# Altium PCB BMD_RevB_PCB.PcbDoc (part 1 of 3) (continued)
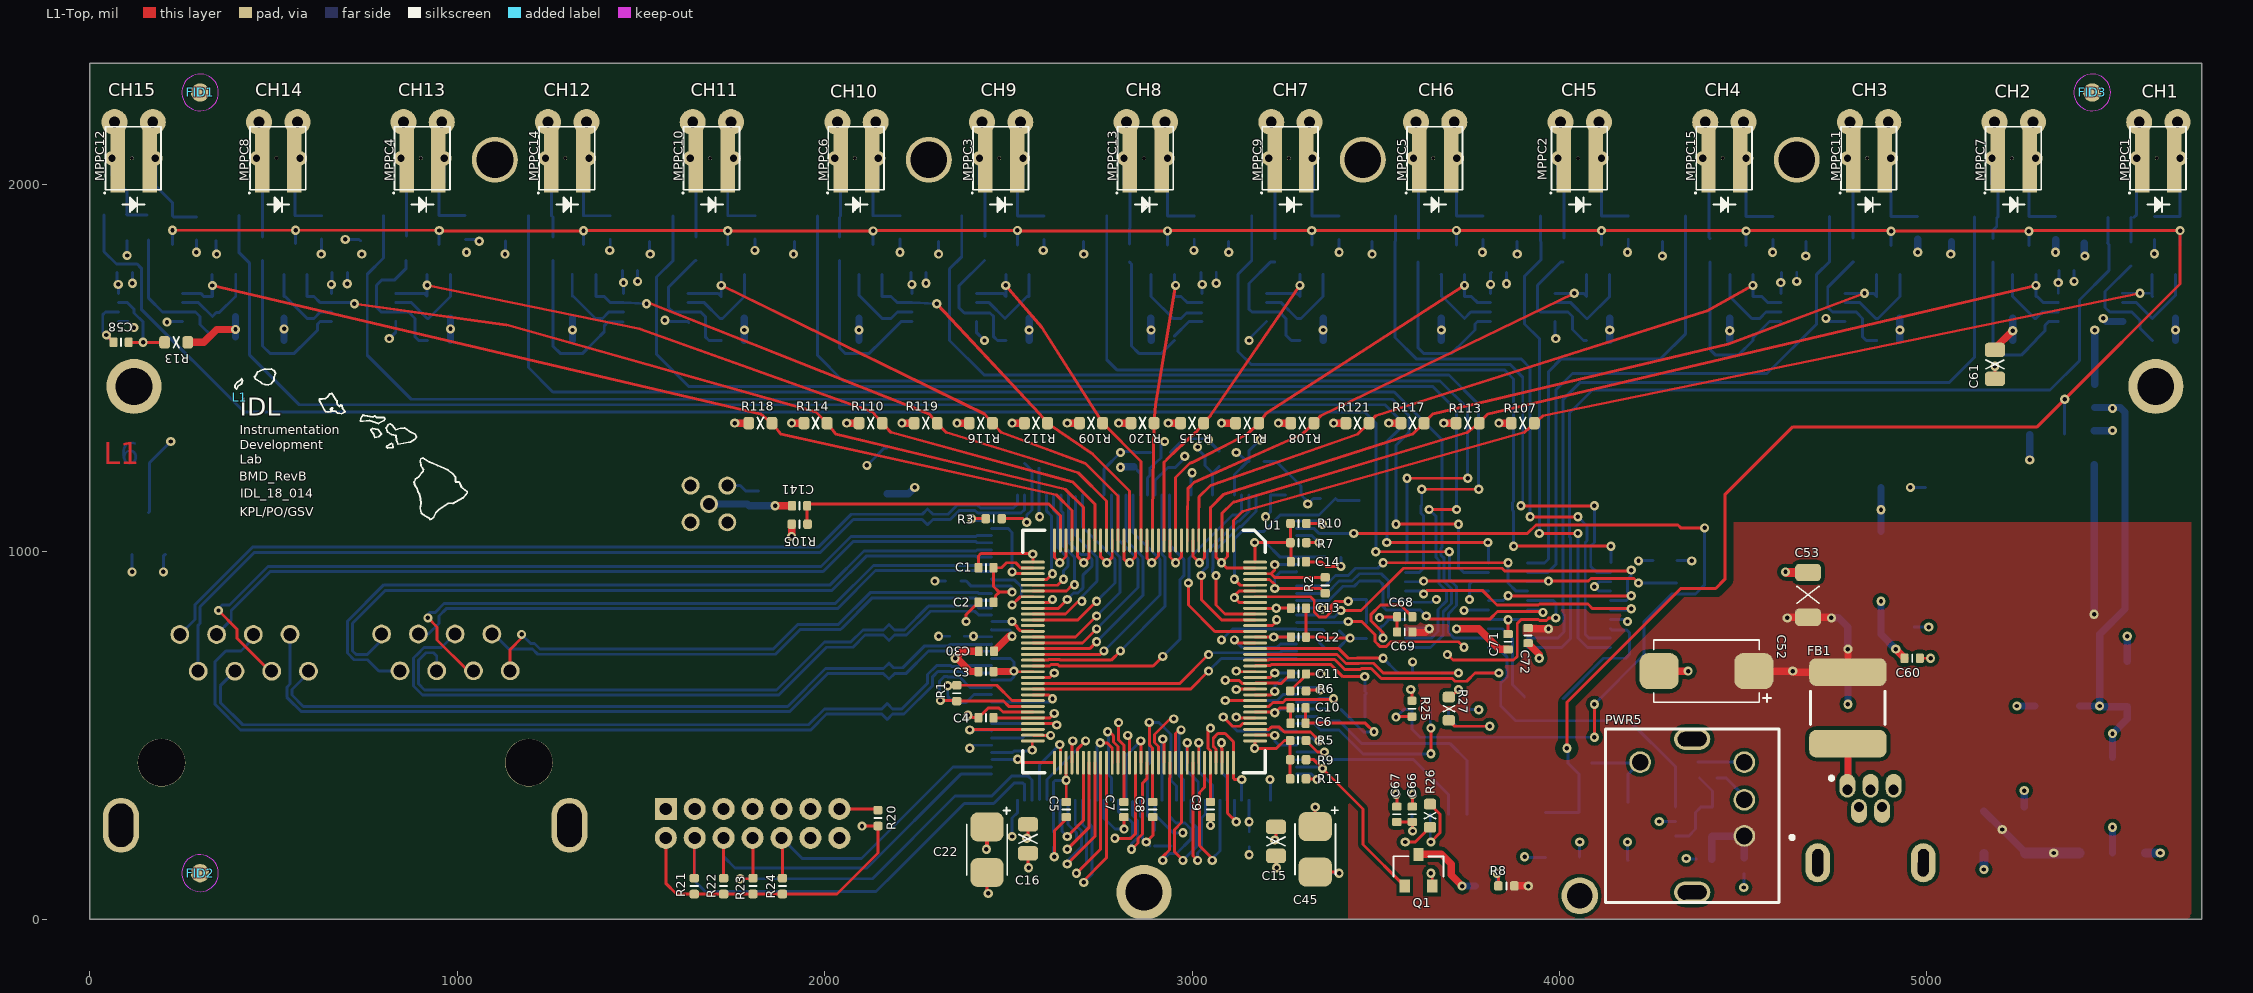
[diagram p0: L1-Top view]
## Components (designator, comment, footprint, x,y, rotation, side; value= is the part's Value field where it differs from the comment)
1 "SP1.5S" SP1.5SQ#1 5455.71,1266.73 r270 bottom
2 "SP1.5S" SP1.5SQ#2 5455.71,1329.72 r0 bottom
3 "SP1.5S" SP1.5SQ#3 5456.69,1392.72 r90 bottom
C1 "100nF" CC0402N1R 2438.98,956.43 r0 top
C2 "100nF" CC0402N1R 2438.98,862.23 r0 top
C3 "100nF" CC0402N1R 2438.98,673.83 r0 top
C4 "100nF" CC0402N1R 2438.98,548.23 r0 top
C5 "100nF" CC0402N1R 2657.48,298.23 r90 top
C6 "100nF" CC0402N1R 3288.39,533.46 r180 top
C7 "100nF" CC0402N1R 2814.48,298.23 r90 top
C8 "100nF" CC0402N1R 2892.98,298.23 r90 top
C9 "100nF" CC0402N1R 3049.98,298.23 r90 top
C10 "100nF" CC0402N1R 3288.39,574.8 r180 top
C11 "100nF" CC0402N1R 3289.37,667.32 r180 top
C12 "100nF" CC0402N1R 3289.37,767.72 r180 top
C13 "100nF" CC0402N1R 3289.37,846.46 r180 top
C14 "100nF" CC0402N1R 3289.37,972.44 r180 top
C15 "22uF" CC0805N1R 3228.35,211.61 r90 top
C16 "22uF" CC0805N1R 2553.15,218.5 r90 top
C18 "1uF" CC0402N1R 3470,530 r270 bottom
C19 "200pF" CC0402N1R 3580,672.53 r180 bottom
C20 "1uF" CC0402N1R 3370,1145 r0 bottom
C21 "1uF" CC0402N1R 3475,785 r90 bottom
C22 "150uF" CTC-B3528-21 2441.93,188.98 r270 top
C25 "4.7uF" CC0402N1R 2350,920 r180 bottom
C26 "4.7uF" CC0402N1R 2941.19,1250 r270 bottom
C27 "4.7uF" CC0402N1R 3275.59,1154.53 r180 bottom
C28 "4.7uF" CC0402N1R 3380,740 r180 bottom
C29 "4.7uF" CC0402N1R 2897.95,220 r90 bottom
C30 "4.7uF" CC0402N1R 2440,729 r0 top
C31 "150uF" CTC-B3528-21 2170,1220 r90 bottom
C32 "150uF" CTC-B3528-21 2441.93,188.98 r270 bottom
C33 "4.7uF" CC0402N1R 3155.51,217.52 r270 bottom
C35 "4.7uF" CC0402N1R 2623.03,216.54 r270 bottom
C36 "4.7uF" CC0402N1R 2886.81,1250 r270 bottom
C37 "4.7uF" CC0402N1R 3073.82,1252.95 r270 bottom
C38 "4.7uF" CC0402N1R 3380,785 r180 bottom
C39 "4.7uF" CC0402N1R 2942.33,220 r90 bottom
C40 "4.7uF" CC0402N1R 2360,770 r0 bottom
C41 "150uF" CTC-B3528-21 5545,640 r90 bottom
C42 "150uF" CTC-B3528-21 3335.63,188.98 r270 bottom
C43 "4.7uF" CC0402N1R 3383.86,984.25 r180 bottom
C44 "4.7uF" CC0402N1R 3385,570 r180 bottom
C45 "150uF" CTC-B3528-21 3335,190 r270 top
C46 "4.7uF" CC0402N1R 3175,1245 r180 bottom
C47 "4.7uF" CC0402N1R 2841.54,1251.97 r270 bottom
C51 "10uF" CC1206N1R 4935,1175 r180 bottom
C52 "330uF" CTC-D7343-43 4400,675 r180 top
C53 "10uF" CC1206N1R 4676.46,882.56 r270 top
C55 "10uF" CC1206N1R 5265,245 r270 bottom
C56 "10uF" CC1206N1R 5155,240 r90 bottom
C57 "10uF" CC1206N1R 5355,580 r0 bottom
C58 "100nF" CC0402N1R 85,1570 r180 top
C60 "100nF" CC0402N1R 4960,710 r0 top
C61 "22uF" CC0805N1R 5185,1510 r90 top
C63 "100nF" CC0402N1R 4502,145 r90 bottom
C64 "1uF" CC1206N1R 4054.13,230.31 r90 bottom
C65 "1uF" CC1206N1R 3961.61,229.33 r90 bottom
C66 ".22uF" CC0402N1R 3599.41,285.43 r90 top
C67 "4.7uF" CC0402N1R 3557.09,285.43 r90 top
C68 "100nF" CC0402N1R 3578.74,822.83 r180 top
C69 "100nF" CC0402N1R 3578.74,781.5 r0 top
C70 "100nF" CC0402N1R 4393.7,163.39 r0 bottom
C71 "100nF" CC0402N1R 3860,755 r270 top
C72 "100nF" CC0402N1R 3914.37,771.65 r90 top
C73 "1pF" CC0603RF1R 5645,1755 r180 bottom
C74 "1pF" CC0603RF1R 4105,1755 r180 bottom
C75 "1pF" CC0603RF1R 2525,1755 r180 bottom
C76 "100nF" CC0402N1R 5380,1765 r180 bottom
C77 "100nF" CC0402N1R 3835,1760 r180 bottom
C78 "100nF" CC0402N1R 2255,1760 r180 bottom
C79 "100nF" RC0603N1R 5619.09,1880.91 r270 bottom
C80 "100nF" RC0603N1R 4187.01,1881.89 r270 bottom
C81 "100nF" RC0603N1R 2597.44,1881.89 r270 bottom
C82 "500pF" CC0603RF1R 5555,1810 r270 bottom
C83 "500pF" CC0603RF1R 4010,1820 r270 bottom
C84 "500pF" CC0603RF1R 2435,1825 r270 bottom
C85 "1pF" CC0603RF1R 950,1755 r180 bottom
C86 "100nF" RC0603N1R 5460,1840 r180 bottom
C87 "100nF" RC0603N1R 3916.34,1844.49 r180 bottom
C88 "100nF" RC0603N1R 2341.54,1844.49 r180 bottom
C89 "100nF" CC0402N1R 680,1760 r180 bottom
C90 "100nF" RC0603N1R 1022.64,1881.89 r270 bottom
C91 "500pF" CC0603RF1R 860,1825 r270 bottom
C92 "1pF" CC0603RF1R 3710,1755 r0 bottom
C93 "1pF" CC0603RF1R 2125,1755 r0 bottom
C94 "1pF" CC0603RF1R 5265,1755 r0 bottom
C95 "100nF" RC0603N1R 767.72,1846.46 r180 bottom
C96 "100nF" RC0603N1R 3792.32,1880.91 r270 bottom
C97 "100nF" RC0603N1R 2204.72,1882.87 r270 bottom
C98 "100nF" RC0603N1R 5350.39,1880.91 r270 bottom
C99 "500pF" CC0603RF1R 3615,1820 r270 bottom
C100 "500pF" CC0603RF1R 2040,1825 r270 bottom
C101 "500pF" CC0603RF1R 5180,1820 r270 bottom
C102 "1pF" CC0603RF1R 560,1755 r0 bottom
C103 "100nF" RC0603N1R 3520.67,1844.49 r180 bottom
C104 "100nF" RC0603N1R 1948.82,1844.49 r180 bottom
C105 "100nF" RC0603N1R 5098.43,1843.5 r180 bottom
C106 "100nF" RC0603N1R 630.91,1882.87 r270 bottom
C107 "500pF" CC0603RF1R 470,1825 r270 bottom
C108 "1pF" CC0603RF1R 3325,1755 r180 bottom
C109 "1pF" CC0603RF1R 1750,1755 r180 bottom
C110 "1pF" CC0603RF1R 4895,1755 r180 bottom
C111 "100nF" RC0603N1R 375,1846.46 r180 bottom
C112 "100nF" CC0402N1R 3045,1760 r180 bottom
C113 "100nF" CC0402N1R 1470,1765 r180 bottom
C114 "100nF" RC0603N1R 3399.61,1881.89 r270 bottom
C115 "100nF" RC0603N1R 1810.04,1882.87 r270 bottom
C116 "100nF" CC0402N1R 4625,1760 r180 bottom
C117 "100nF" RC0603N1R 4975.39,1881.89 r270 bottom
C118 "500pF" CC0603RF1R 3225,1820 r270 bottom
C119 "500pF" CC0603RF1R 1650,1825 r270 bottom
C120 "500pF" CC0603RF1R 4800,1820 r270 bottom
C121 "1pF" CC0603RF1R 365,1755 r180 bottom
C122 "100nF" RC0603N1R 3130.91,1844.49 r180 bottom
C123 "100nF" RC0603N1R 1555.12,1844.49 r180 bottom
C124 "100nF" RC0603N1R 4702.76,1844.49 r180 bottom
C125 "100nF" CC0402N1R 95,1760 r180 bottom
C126 "100nF" RC0603N1R 290,1880 r270 bottom
C127 "500pF" CC0603RF1R 160,1880 r270 bottom
C128 "1pF" CC0603RF1R 2920,1755 r0 bottom
C129 "1pF" CC0603RF1R 1345,1755 r0 bottom
C130 "1pF" CC0603RF1R 4495,1755 r0 bottom
C131 "100nF" RC0603N1R 69.88,1846.46 r0 bottom
C132 "100nF" RC0603N1R 3005.91,1881.89 r270 bottom
C133 "100nF" RC0603N1R 1416.34,1881.89 r270 bottom
C134 "100nF" RC0603N1R 4580.71,1880.91 r270 bottom
C135 "500pF" CC0603RF1R 2830,1820 r270 bottom
C136 "500pF" CC0603RF1R 1260,1825 r270 bottom
C137 "500pF" CC0603RF1R 4410,1820 r270 bottom
C138 "100nF" RC0603N1R 2736.22,1844.49 r180 bottom
C139 "100nF" RC0603N1R 1162.4,1845.47 r180 bottom
C140 "100nF" RC0603N1R 4312.01,1844.49 r180 bottom
C141 "100nF" CC0402N1R 1931.65,1125 r180 top
C142 "4.7uF" CC0402N1R 2565,1240 r0 bottom
D1 "PMEG3050EP,115" SOD128 4785,545 r90 bottom
D2 "CDBB1100-HF" DSMB-N 4186.02,238.19 r270 bottom
DAC1 "SP1.5S" SP1.5SQ#3 4010,600 r180 bottom
DAC2 "SP1.5S" SP1.5SQ#3 3905,605 r90 bottom
DONE1 "GREEN" LED0603VG 3802.17,90.55 r0 bottom
FB1 "74279224151" FB2220N1R 4785,575 r90 top
FB2 "600Rac" FB0603N1R 4055,425 r180 bottom
FID1 "PCB-FIDRT" FIDRT50 300,2250 r90 top net-tie
FID2 "PCB-FIDRT" FIDRT50 300,125 r90 top net-tie
FID3 "PCB-FIDRT" FIDRT50 5450,2250 r90 top net-tie
GND1 "SP1.5S" SP1.5SQ#3 5280.35,1319.25 r270 bottom
HV1 "SP1.5S" SP1.5SQ#3 5370,1320 r90 bottom
ISEL1 "SP1.5S" SP1.5SQ#3 3680,670 r270 bottom
J1 "0548190519" USB_MINIB 4846.5,352.24 r270 bottom
J2 "MMCX" MMCX_VERTICAL_THROUGH_HOLE 1685,1130 r180 bottom
J3 "615016137621" "2X1 RJ45" 694.88,528.54 r180 bottom locked
JTAG1 "0878311420" JTAG_14PIN_2MM_VERT 1803.74,260.63 r0 bottom
L1 "IDLab Logo" "IDLab logo" 408.15,1420.16 r0 top
MPPC1 "MPPC" "MPPC S12572-050P" 5629.94,2070.88 r0 top locked
MPPC2 "MPPC" "MPPC S12572-050P" 4055.13,2070.88 r0 top locked
MPPC3 "MPPC" "MPPC S12572-050P" 2480.33,2070.88 r0 top locked
MPPC4 "MPPC" "MPPC S12572-050P" 905.53,2070.88 r0 top locked
MPPC5 "MPPC" "MPPC S12572-050P" 3661.43,2070.88 r0 top locked
MPPC6 "MPPC" "MPPC S12572-050P" 2086.63,2070.88 r0 top locked
MPPC7 "MPPC" "MPPC S12572-050P" 5236.24,2070.88 r0 top locked
MPPC8 "MPPC" "MPPC S12572-050P" 512.81,2070.88 r0 top locked
MPPC9 "MPPC" "MPPC S12572-050P" 3267.73,2070.88 r0 top locked
MPPC10 "MPPC" "MPPC S12572-050P" 1692.93,2070.88 r0 top locked
MPPC11 "MPPC" "MPPC S12572-050P" 4842.54,2070.88 r0 top locked
MPPC12 "MPPC" "MPPC S12572-050P" 119.11,2070.88 r0 top locked
MPPC13 "MPPC" "MPPC S12572-050P" 2874.03,2070.88 r0 top locked
MPPC14 "MPPC" "MPPC S12572-050P" 1299.23,2070.88 r0 top locked
MPPC15 "MPPC" "MPPC S12572-050P" 4448.83,2070.88 r0 top locked
POT1 "3313J-1-103E(10KPOT)" 2KPOT 160,1050 r180 bottom
PWR1 "ADP3339AKCZ-2.5-R7" SOT223 4875,925 r180 bottom
PWR3 "ZLDO1117G12TA" SOT223 5505,310 r180 bottom
PWR5 "UltraVolt XS" "UltraVolt XS" 4361.22,281.5 r180 top
Q1 "BSS806N H6327" SOT23-1 3616.14,132.87 r90 top
R1 "100R" RC0402N1R 2359.6,615 r270 top
R2 "100R" RC0402N1R 3362.2,908.46 r270 top
R3 "0R0" RC0402N1R 2460,1090 r0 top
R4 "100R" RC0402N1R 2175,780.01 r90 bottom
R5 "4K7" RC0402N1R 3288.39,486.22 r180 top
R6 "0R0" RC0402N1R 3288.39,621.06 r180 top
R7 "4K7" RC0402N1R 3289.37,1024.61 r180 top
R8 "330" RC0402N1R 3855.32,90.55 r180 top
R9 "330" RC0402N1R 3288.39,434.06 r0 top
R10 "4k7" RC0402N1R 3289.37,1076.77 r180 top
R11 "4k7" RC0402N1R 3288.39,381.89 r0 top
R12 "4K7" RC0402N1R 85,1570 r180 bottom
R13 "0R0" RC0603N1R 235,1570 r180 top
R18 "4K7" RC0402N1R 4376.97,405.51 r270 bottom
R19 "4K7" RC0402N1R 4429.13,405.51 r90 bottom
R20 "4k7" RC0402N1R 2145,275 r270 top
R21 "4k7" RC0402N1R 1645,90 r270 top
R22 "4k7" RC0402N1R 1725,90 r270 top
R23 "4k7" RC0402N1R 1805,90 r270 top
R24 "4k7" RC0402N1R 1885,90 r270 top
R25 "4K7" RC0402N1R 3598.43,572.83 r90 top
R26 "100k" RC0603N1R 3647.64,281.5 r270 top
R27 "100k" RC0603N1R 3698.82,572.83 r90 top
R28 "0R0" RC0603N1R 4320,945 r90 bottom
R29 "0R0" RC0603N1R 4255,945 r90 bottom
R30 "1k" RC0603N1R 5645,1695 r180 bottom
R31 "1k" RC0603N1R 4105,1695 r180 bottom
R32 "1k" RC0603N1R 2525,1695 r180 bottom
R33 "100" RC0603N1R 5645,1635 r180 bottom
R34 "100" RC0603N1R 4105,1635 r180 bottom
R35 "100" RC0603N1R 2525,1635 r180 bottom
R36 "1k" RC0805N1R 5688.98,1873.03 r90 bottom
R37 "1k" RC0805N1R 4114.17,1874.02 r90 bottom
R38 "1k" RC0805N1R 2524.61,1874.02 r90 bottom
R39 "91" RC0603N1R 5645,1575 r180 bottom
R40 "91" RC0603N1R 4105,1575 r180 bottom
R41 "91" RC0603N1R 2525,1575 r180 bottom
R42 "1k" RC0603N1R 5524.44,1910 r0 bottom
R43 "1k" RC0603N1R 3980.32,1913.39 r0 bottom
R44 "1k" RC0603N1R 2404.53,1913.39 r0 bottom
R45 "1k" RC0603N1R 950,1695 r180 bottom
R46 "100" RC0603N1R 950,1635 r180 bottom
R47 "1k" RC0805N1R 950.79,1875.98 r90 bottom
R48 "91" RC0603N1R 950,1575 r180 bottom
R49 "1k" RC0603N1R 830.71,1914.37 r0 bottom
R50 "100" RC0603N1R 3710,1635 r0 bottom
R51 "1k" RC0603N1R 3710,1695 r0 bottom
R52 "100" RC0603N1R 2125,1635 r0 bottom
R53 "1k" RC0603N1R 2125,1695 r0 bottom
R54 "100" RC0603N1R 5265,1635 r0 bottom
R55 "1k" RC0603N1R 5265,1695 r0 bottom
R56 "1k" RC0805N1R 3719.49,1874.02 r90 bottom
R57 "1k" RC0805N1R 2131.89,1875 r90 bottom
R58 "1k" RC0805N1R 5277.56,1873.03 r90 bottom
R59 "91" RC0603N1R 3710,1575 r180 bottom
R60 "91" RC0603N1R 2125,1575 r180 bottom
R61 "91" RC0603N1R 5265,1575 r180 bottom
R62 "1k" RC0603N1R 3584.65,1913.39 r0 bottom
R63 "1k" RC0603N1R 2011.81,1913.39 r0 bottom
R64 "1k" RC0603N1R 5161.42,1911.42 r0 bottom
R65 "100" RC0603N1R 560,1635 r0 bottom
R66 "1k" RC0603N1R 560,1695 r0 bottom
R67 "1k" RC0805N1R 558.07,1875.98 r90 bottom
R68 "91" RC0603N1R 560,1575 r180 bottom
R69 "1k" RC0603N1R 437.99,1915.35 r0 bottom
R70 "1k" RC0603N1R 3325,1695 r180 bottom
R71 "1k" RC0603N1R 1750,1695 r180 bottom
R72 "1k" RC0603N1R 4895,1695 r180 bottom
R73 "100" RC0603N1R 3325,1635 r180 bottom
R74 "100" RC0603N1R 1750,1635 r180 bottom
R75 "1k" RC0805N1R 3325.79,1874.02 r90 bottom
R76 "1k" RC0805N1R 1736.22,1875 r90 bottom
R77 "100" RC0603N1R 4895,1635 r180 bottom
R78 "1k" RC0805N1R 4902.56,1873.03 r90 bottom
R79 "91" RC0603N1R 3325,1575 r180 bottom
R80 "91" RC0603N1R 1750,1575 r180 bottom
R81 "91" RC0603N1R 4895,1575 r180 bottom
R82 "1k" RC0603N1R 3193.9,1913.39 r0 bottom
R83 "1k" RC0603N1R 1618.11,1913.39 r0 bottom
R84 "1k" RC0603N1R 4766.73,1912.4 r0 bottom
R85 "1k" RC0603N1R 365,1695 r180 bottom
R86 "100" RC0603N1R 365,1635 r180 bottom
R87 "1k" RC0805N1R 225,1875 r90 bottom
R88 "91" RC0603N1R 365,1575 r180 bottom
R89 "1k" RC0603N1R 69.88,1916.34 r0 bottom
R90 "100" RC0603N1R 2918.5,1635 r0 bottom
R91 "1k" RC0603N1R 2920,1695 r0 bottom
R92 "100" RC0603N1R 1345,1635 r0 bottom
R93 "1k" RC0603N1R 1345,1695 r0 bottom
R94 "1k" RC0805N1R 2933.07,1874.02 r90 bottom
R95 "1k" RC0805N1R 1343.5,1875 r90 bottom
R96 "100" RC0603N1R 4495,1635 r0 bottom
R97 "1k" RC0603N1R 4495,1695 r0 bottom
R98 "1k" RC0805N1R 4507.87,1873.03 r90 bottom
R99 "91" RC0603N1R 2920,1575 r180 bottom
R100 "91" RC0603N1R 1345,1575 r180 bottom
R101 "91" RC0603N1R 4495,1575 r180 bottom
R102 "1k" RC0603N1R 2799.21,1913.39 r0 bottom
R103 "1k" RC0603N1R 1225.39,1914.37 r0 bottom
R104 "1k" RC0603N1R 4375,1913.39 r0 bottom
R105 "4K7" RC0402N1R 1931.65,1075 r180 top
R106 "50R" RC0402RF1 1820,1145 r270 bottom
R107 "49R9" RC0603N1R 3900,1350 r0 top
R108 "49R9" RC0603N1R 3300,1350 r0 top
R109 "49R9" RC0603N1R 2725,1350 r0 top
R110 "49R9" RC0603N1R 2125,1350 r0 top
R111 "49R9" RC0603N1R 3150,1350 r0 top
R112 "49R9" RC0603N1R 2575,1350 r0 top
R113 "49R9" RC0603N1R 3750,1350 r0 top
R114 "49R9" RC0603N1R 1975,1350 r0 top
R115 "49R9" RC0603N1R 3000,1350 r0 top
R116 "49R9" RC0603N1R 2425,1350 r0 top
R117 "49R9" RC0603N1R 3600,1350 r0 top
R118 "49R9" RC0603N1R 1825,1350 r0 top
R119 "49R9" RC0603N1R 2275,1350 r0 top
R120 "49R9" RC0603N1R 2865,1350 r0 top
R121 "49R9" RC0603N1R 3450,1350 r0 top
R122 "100R" RC0402N1R 2175,675 r90 bottom
R123 "100R" RC0402N1R 2170,565 r90 bottom
R124 "100R" RC0402N1R 2280,1095 r270 bottom
RampMON1 "SP1.5S" SP1.5SQ#3 3785,670 r0 bottom
U1 "TargetX" TQFP128_MZA 2869.02,728.29 r270 top locked
U2 "XC6SLX4-2TQG144C" TQG144_N 2869.02,739 r270 bottom locked
U4 "W25Q40CLSNIG" SOIC_8PIN 3673.23,428.15 r270 bottom
U5 "AD5672RBRUZ-ND" TSSOP_20PIN 4025.59,854.33 r0 bottom
U6 "LTC2050CS5" SOT23-5 4366.14,265.75 r0 bottom
U7 "AD5672RBRUZ-ND" TSSOP_20PIN 3693.9,854.33 r0 bottom
U8 "OPA350EA/250" MSOP8N 5445,1665.05 r180 bottom
U9 "OPA350EA/250" MSOP8N 4690,1665 r180 bottom
U10 "OPA350EA/250" MSOP8N 3900,1665 r180 bottom
U11 "OPA350EA/250" MSOP8N 3115,1665 r180 bottom
U12 "OPA350EA/250" MSOP8N 2325,1665 r180 bottom
U13 "OPA350EA/250" MSOP8N 1540,1665 r180 bottom
U14 "OPA350EA/250" MSOP8N 745,1665 r180 bottom
U15 "OPA350EA/250" MSOP8N 165,1665 r180 bottom
VadjN1 "SP1.5S" SP1.5SQ#3 3475,870 r0 bottom
VadjP1 "SP1.5S" SP1.5SQ#3 3455,1140 r0 bottom
Vdis1 "SP1.5S" SP1.5SQ#3 3475,615 r0 bottom
VPED1 "SP1.5S" SP1.5SQ#4 5456.69,1455.71 r0 bottom
Vramp1 "SP1.5S" SP1.5SQ#3 3475,710 r0 bottom

## Footprints (in the part's own frame and the unit in brackets; to place one, negate y for a bottom-side part, rotate by r counter-clockwise, add the part's x,y. Pads: shape width x height; smd on the part's side, far side on the other; paste and mask are expansions set on the pad)
2KPOT [mm] "TRIMMER 2K OHM 0.125W SMD"
  rect 1.1x1.6 smd: 1(-1.15,-1.45) 3(1.15,-1.45)
  rect 1.6x1.6 smd: 2(0,1.45)
  silkscreen extent -1.6,-1.75 1.6,1.75, body extent -1.6,-1.75 1.6,1.75, height 2.77
"2X1 RJ45" [mm] "DOUBLE_RIGHT ANGLE_RJ-45"
  round 1.3 hole 0.9: A1(-11.41,3.745) A2(-10.14,6.285) A3(-8.87,3.745) A4(-7.6,6.285) A5(-6.33,3.745) A6(-5.06,6.285) A7(-3.79,3.735) A8(-2.52,6.285) B1(2.54,3.715) B2(3.81,6.265) B3(5.08,3.715) B4(6.35,6.255) B5(7.62,3.715) B6(8.89,6.255) B7(10.16,3.715) B8(11.43,6.255)
  round 3.302 hole 3.25 unplated: M1(-12.7,-2.605) M2(12.7,-2.605)
  oval 2.5x3.8 hole 1.7 slot 3 at 90 deg: T1(-15.5,-6.935) T2(15.5,-6.935)
  silkscreen extent -17.1,-14.29 17,8.22, body extent -15.6,-13.52 15.53,7.75, height 13.65
CC0402N1R [mm] "Chip capacitor 0402 ROUND pad"
  rrect30% 0.55x0.65 smd mask+0.025: 1(-0.525,0) 2(0.525,0)
  silkscreen extent 0,-0.25 0,0.25, body extent -0.51,-0.25 0.51,0.25, height 0.5
CC0603RF1R [mil] "Chip capacitor 0603 RF pad ROUNDED PAD"
  rrect50% 25x30 smd: 1(-32,0) 2(32,0)
  silkscreen extent -8,-15 8,15, body extent -30,-15 30,15, height 28
CC0805N1R [mm] "Chip capacitor  0805 ROUND PAD"
  rrect50% 1x1.4 smd: 1(-1,0) 2(1,0)
  silkscreen extent -0.3,-0.63 0.3,0.63, body extent -1,-0.63 1,0.63, height 1
CC1206N1R [mm] "Chip capacitor 1206 ROUNDED PAD"
  rrect50% 1.2x1.8 smd: 1(-1.55,0) 2(1.55,0)
  silkscreen extent -0.58,-0.76 0.58,0.76, body extent -1.6,-0.8 1.6,0.8, height 1.35
CTC-B3528-21 [mm] "Capacitor Tantal Chip B - 3528, H=1.9mm"
  rrect50% 2x2.3 smd: 1(-1.575,0) 2(1.575,0)
  silkscreen extent -2.92,-1.4 1.75,1.58, body extent -1.92,-1.4 1.92,1.4, height 1.91
CTC-D7343-43 [mm] "Capacitor Tantal Chip D - 7343, H=4.3mm"
  rrect50% 2.7x2.5 smd: 1(-3.275,0) 2(3.275,0)
  silkscreen extent -4.45,-2.15 3.65,2.15, body extent -4,-2.15 4,2.15, height 4.31
DSMB-N [mm] "DIODE SMB normal"
  rect 1.8x2.3 smd: 1(-2,0) 2(2,0)
  silkscreen extent -3.18,-2 2.5,2, body extent -2.6,-1.9 2.6,1.9, height 2.41
FB0603N1R [mm] "Chip Ferrite Bead, 2-Leads, Body 1,6x0,8mm, IPC Medium Density"
  rrect50% 0.85x0.9 smd: 1(-0.825,0) 2(0.825,0)
  silkscreen extent -0.2,-0.4 0.2,0.4, body extent -0.8,-0.4 0.8,0.4, height 0.8
FB2220N1R [mm] "Chip Ferrite, 2-Leads, Body 5,59x5,08mm, IPC Medium Density"
  rrect50% 1.9x5.35 smd: 1(-2.475,0) 2(2.475,0)
  silkscreen extent -1.15,-2.57 1.15,2.58, body extent -3.05,-2.66 3.05,2.67, height 2.05
FIDRT50 [mil] "Fiducial TOP round 50mil"
  round 50 smd paste-100 mask+25: 0(0,0)
  L1-Top keep-out circle w1: c0,0 r50
"IDLab logo" [mil]
  silkscreen extent -13,-332 619,77
JTAG_14PIN_2MM_VERT [mil]
  rect 60x60 hole 33: 1(-236.22,-39.37)
  round 60 hole 33: 2(-236.22,39.37) 3(-157.48,-39.37) 4(-157.48,39.37) 5(-78.74,-39.37) 6(-78.74,39.37) 7(0,-39.37) 8(0,39.37) 9(78.74,-39.37) 10(78.74,39.37) 11(157.48,-39.37) 12(157.48,39.37) 13(236.22,-39.37) 14(236.22,39.37)
  silkscreen extent -335,-134 335,130, body extent -328,-124 328,124, height 254
LED0603VG [mm] "LED chip 0603 1.6x0.8x0.6mm vertical Green"
  rect 0.7x0.8 smd: 1(-0.775,0) 2(0.775,0)
  silkscreen extent -1.38,-0.35 -1.38,0.35, body extent -0.8,-0.4 0.8,0.4, height 0.6
MMCX_VERTICAL_THROUGH_HOLE [mm]
  round 1.24 hole 0.84: 1(0,0) 2(-1.27,-1.27) 3(1.27,-1.27) 4(1.27,1.27) 5(-1.27,1.27)
  silkscreen extent -1.73,-1.73 1.73,1.73, body extent -1.73,-1.73 1.73,1.73, height 4.42
"MPPC S12572-050P" [mm] "MPPC S12572-050P, 2-Leads, Body 3x3mm, IPC Medium Density"
  round 0.25 hole 0.25 unplated paste+0 mask+0: 0(-0.125,0)
  round 1 hole 0.5: 1(-1.5,0) 2(1.5,0)
  round 1.8 hole 0.75: 1(-1.325,2.5) 2(1.325,2.5)
  rect 1x4.5 smd: 1(-1.1,-0.1) 2(1.1,-0.1)
  silkscreen extent -2.05,-3.71 1.9,2.17, body extent -1.92,-2.17 1.92,2.18, height 1.45
MSOP8N [mm]
  rrect50% 1.4x0.4 smd mask+0.051: 1(-2.225,0.975)
  oval 1.4x0.4 smd mask+0.051: 2(-2.225,0.325) 3(-2.225,-0.325) 4(-2.225,-0.975) 5(2.225,-0.975) 6(2.225,-0.325) 7(2.225,0.325) 8(2.225,0.975)
  silkscreen extent -2.35,-1.5 1.13,1.85, body extent -1.5,-1.5 1.5,1.5, height 1.11
RC0402N1R [mm] "Chip capacitor 0402 ROUNDED PAD"
  rrect50% 0.6x0.65 smd: 1(-0.55,0) 2(0.55,0)
  silkscreen extent 0,-0.25 0,0.25, body extent -0.51,-0.25 0.51,0.25, height 0.36
RC0402RF1 [mil] "Chip resistor 0402 RF pad"
  rect 20x20 smd: 1(-20,0) 2(20,0)
  silkscreen extent 0,-10 0,10, body extent -20,-10 20,10, height 14
RC0603N1R [mm] "Chip resistor 0603 ROUNDED PAD"
  rrect50% 0.75x0.85 smd: 1(-0.8,0) 2(0.8,0)
  silkscreen extent -0.2,-0.38 0.2,0.38, body extent -0.8,-0.4 0.8,0.4, height 0.46
RC0805N1R [mm] "Chip resistor 0805 ROUNDED PAD"
  rrect50% 0.9x1.35 smd: 1(-1,0) 2(1,0)
  silkscreen extent -0.3,-0.64 0.3,0.64, body extent -1.02,-0.63 1.02,0.63, height 0.51
SOD128 [mm] "2-Leads, Body 2.7x4.0mm (max), IPC Medium Density"
  rrect50% 1.2x1.9 smd: 1(-2.2,0) 2(2.2,0)
  body extent -2,-1.35 2,1.35, height 1.1
SOIC_8PIN [mm] "SOIC, 8-Leads, Body 5.28x5.28mm, Pitch 1.27mm, IPC Medium Density"
  oval 1.5x0.6 smd: 1(-3.625,1.905) 2(-3.625,0.635) 3(-3.625,-0.635) 4(-3.625,-1.905) 5(3.625,-1.905) 6(3.625,-0.635) 7(3.625,0.635) 8(3.625,1.905)
  silkscreen extent -3.75,-2.65 2.47,2.88, body extent -2.65,-2.65 2.65,2.65, height 1.95
SOT23-1 [mm]
  rect 0.9x0.7 smd: 1(-1.1,0.95) 2(-1.1,-0.95) 3(1.1,0)
  silkscreen extent -0.43,-1.73 0.97,1.73, body extent -1.28,-1.55 1.28,1.55, height 1.02
SOT23-5 [mil]
  oval 48x25 smd mask+2: 1(-50,40) 2(-50,0) 3(-50,-40) 4(50,-40) 5(50,40)
  silkscreen extent -55,-68 38,72, body extent -50,-61 50,61, height 57
SOT223 [mm]
  rect 1.05x1.75 smd: 1(-2.3,-3.3) 2(0,-3.3) 3(2.3,-3.3)
  rect 3.4x1.75 smd: 4(0,3.3)
  silkscreen extent -3.45,-3.45 3.35,1.85, body extent -3.25,-3.5 3.25,3.5, height 1.8
SP1.5SQ#1 [mm] "Solder Pad 1.5mm SMT"
  rrect20% 1.5x1.5 smd: 1(0.762,0)
SP1.5SQ#2 [mm] "Solder Pad 1.5mm SMT"
  rrect20% 1.5x1.5 smd: 1(0,0.254)
SP1.5SQ#3 [mm] "Solder Pad 1.5mm SMT"
  rrect20% 1.5x1.5 smd: 1(0,0)
SP1.5SQ#4 [mm] "Solder Pad 1.5mm SMT"
  rrect20% 1.5x1.5 smd: 1(0,-0.254)
TQFP128_MZA [mil]
  oval 65x8 smd mask+2: 1(-302.5,243.35) 2(-302.5,227.65) 3(-302.5,211.95) 4(-302.5,196.25) 5(-302.5,180.55) 6(-302.5,164.85) 7(-302.5,149.15) 8(-302.5,133.45) 9(-302.5,117.75) 10(-302.5,102.05) 11(-302.5,86.35) 12(-302.5,70.65) 13(-302.5,54.95) 14(-302.5,39.25) 15(-302.5,23.55) 16(-302.5,7.85) 17(-302.5,-7.85) 18(-302.5,-23.55) 19(-302.5,-39.25) 20(-302.5,-54.95) 21(-302.5,-70.65) 22(-302.5,-86.35) 23(-302.5,-102.05) 24(-302.5,-117.75) 25(-302.5,-133.45) 26(-302.5,-149.15) 27(-302.5,-164.85) 28(-302.5,-180.55) 29(-302.5,-196.25) 30(-302.5,-211.95) 31(-302.5,-227.65) 32(-302.5,-243.35) 65(302.5,-243.35) 66(302.5,-227.65) 67(302.5,-211.95) 68(302.5,-196.25) 69(302.5,-180.55) 70(302.5,-164.85) 71(302.5,-149.15) 72(302.5,-133.45) 73(302.5,-117.75) 74(302.5,-102.05) 75(302.5,-86.35) 76(302.5,-70.65) 77(302.5,-54.95) 78(302.5,-39.25) 79(302.5,-23.55) 80(302.5,-7.85) 81(302.5,7.85) 82(302.5,23.55) 83(302.5,39.25) 84(302.5,54.95) 85(302.5,70.65) 86(302.5,86.35) 87(302.5,102.05) 88(302.5,117.75) 89(302.5,133.45) 90(302.5,149.15) 91(302.5,164.85) 92(302.5,180.55) 93(302.5,196.25) 94(302.5,211.95) 95(302.5,227.65) 96(302.5,243.35)
  oval 8x65 smd mask+2: 33(-243.35,-302.5) 34(-227.65,-302.5) 35(-211.95,-302.5) 36(-196.25,-302.5) 37(-180.55,-302.5) 38(-164.85,-302.5) 39(-149.15,-302.5) 40(-133.45,-302.5) 41(-117.75,-302.5) 42(-102.05,-302.5) 43(-86.35,-302.5) 44(-70.65,-302.5) 45(-54.95,-302.5) 46(-39.25,-302.5) 47(-23.55,-302.5) 48(-7.85,-302.5) 49(7.85,-302.5) 50(23.55,-302.5) 51(39.25,-302.5) 52(54.95,-302.5) 53(70.65,-302.5) 54(86.35,-302.5) 55(102.05,-302.5) 56(117.75,-302.5) 57(133.45,-302.5) 58(149.15,-302.5) 59(164.85,-302.5) 60(180.55,-302.5) 61(196.25,-302.5) 62(211.95,-302.5) 63(227.65,-302.5) 64(243.35,-302.5) 97(243.35,302.5) 98(227.65,302.5) 99(211.95,302.5) 100(196.25,302.5) 101(180.55,302.5) 102(164.85,302.5) 103(149.15,302.5) 104(133.45,302.5) 105(117.75,302.5) 106(102.05,302.5) 107(86.35,302.5) 108(70.65,302.5) 109(54.95,302.5) 110(39.25,302.5) 111(23.55,302.5) 112(7.85,302.5) 113(-7.85,302.5) 114(-23.55,302.5) 115(-39.25,302.5) 116(-54.95,302.5) 117(-70.65,302.5) 118(-86.35,302.5) 119(-102.05,302.5) 120(-117.75,302.5) 121(-133.45,302.5) 122(-149.15,302.5) 123(-164.85,302.5) 124(-180.55,302.5) 125(-196.25,302.5) 126(-211.95,302.5) 127(-227.65,302.5) 128(-243.35,302.5)
  silkscreen extent -330,-330 330,330, body extent -295,-295 295,295, height 48
TQG144_N [mm] "Thin QFP, 144-Leads, Body 20x20mm, Pitch 0.5mm, IPC Medium Density"
  oval 1.8x0.3 smd: 1(-10.55,8.75) 2(-10.55,8.25) 3(-10.55,7.75) 4(-10.55,7.25) 5(-10.55,6.75) 6(-10.55,6.25) 7(-10.55,5.75) 8(-10.55,5.25) 9(-10.55,4.75) 10(-10.55,4.25) 11(-10.55,3.75) 12(-10.55,3.25) 13(-10.55,2.75) 14(-10.55,2.25) 15(-10.55,1.75) 16(-10.55,1.25) 17(-10.55,0.75) 18(-10.55,0.25) 19(-10.55,-0.25) 20(-10.55,-0.75) 21(-10.55,-1.25) 22(-10.55,-1.75) 23(-10.55,-2.25) 24(-10.55,-2.75) 25(-10.55,-3.25) 26(-10.55,-3.75) 27(-10.55,-4.25) 28(-10.55,-4.75) 29(-10.55,-5.25) 30(-10.55,-5.75) 31(-10.55,-6.25) 32(-10.55,-6.75) 33(-10.55,-7.25) 34(-10.55,-7.75) 35(-10.55,-8.25) 36(-10.55,-8.75) 73(10.55,-8.75) 74(10.55,-8.25) 75(10.55,-7.75) 76(10.55,-7.25) 77(10.55,-6.75) 78(10.55,-6.25) 79(10.55,-5.75) 80(10.55,-5.25) 81(10.55,-4.75) 82(10.55,-4.25) 83(10.55,-3.75) 84(10.55,-3.25) 85(10.55,-2.75) 86(10.55,-2.25) 87(10.55,-1.75) 88(10.55,-1.25) 89(10.55,-0.75) 90(10.55,-0.25) 91(10.55,0.25) 92(10.55,0.75) 93(10.55,1.25) 94(10.55,1.75) 95(10.55,2.25) 96(10.55,2.75) 97(10.55,3.25) 98(10.55,3.75) 99(10.55,4.25) 100(10.55,4.75) 101(10.55,5.25) 102(10.55,5.75) 103(10.55,6.25) 104(10.55,6.75) 105(10.55,7.25) 106(10.55,7.75) 107(10.55,8.25) 108(10.55,8.75)
  oval 0.3x1.8 smd: 37(-8.75,-10.55) 38(-8.25,-10.55) 39(-7.75,-10.55) 40(-7.25,-10.55) 41(-6.75,-10.55) 42(-6.25,-10.55) 43(-5.75,-10.55) 44(-5.25,-10.55) 45(-4.75,-10.55) 46(-4.25,-10.55) 47(-3.75,-10.55) 48(-3.25,-10.55) 49(-2.75,-10.55) 50(-2.25,-10.55) 51(-1.75,-10.55) 52(-1.25,-10.55) 53(-0.75,-10.55) 54(-0.25,-10.55) 55(0.25,-10.55) 56(0.75,-10.55) 57(1.25,-10.55) 58(1.75,-10.55) 59(2.25,-10.55) 60(2.75,-10.55) 61(3.25,-10.55) 62(3.75,-10.55) 63(4.25,-10.55) 64(4.75,-10.55) 65(5.25,-10.55) 66(5.75,-10.55) 67(6.25,-10.55) 68(6.75,-10.55) 69(7.25,-10.55) 70(7.75,-10.55) 71(8.25,-10.55) 72(8.75,-10.55) 109(8.75,10.55) 110(8.25,10.55) 111(7.75,10.55) 112(7.25,10.55) 113(6.75,10.55) 114(6.25,10.55) 115(5.75,10.55) 116(5.25,10.55) 117(4.75,10.55) 118(4.25,10.55) 119(3.75,10.55) 120(3.25,10.55) 121(2.75,10.55) 122(2.25,10.55) 123(1.75,10.55) 124(1.25,10.55) 125(0.75,10.55) 126(0.25,10.55) 127(-0.25,10.55) 128(-0.75,10.55) 129(-1.25,10.55) 130(-1.75,10.55) 131(-2.25,10.55) 132(-2.75,10.55) 133(-3.25,10.55) 134(-3.75,10.55) 135(-4.25,10.55) 136(-4.75,10.55) 137(-5.25,10.55) 138(-5.75,10.55) 139(-6.25,10.55) 140(-6.75,10.55) 141(-7.25,10.55) 142(-7.75,10.55) 143(-8.25,10.55) 144(-8.75,10.55)
  silkscreen extent -10.67,-9.25 9.25,9.57, body extent -10,-10 10,10, height 1.6
TSSOP_20PIN [mm] "TSSOP 20, Body 6,6x4,5mm, R0,65mm, IPC Medium Density"
  rrect50% 1.55x0.35 smd mask+0.051: 1(-2.875,2.925)
  oval 1.55x0.35 smd mask+0.051: 2(-2.875,2.275) 3(-2.875,1.625) 4(-2.875,0.975) 5(-2.875,0.325) 6(-2.875,-0.325) 7(-2.875,-0.975) 8(-2.875,-1.625) 9(-2.875,-2.275) 10(-2.875,-2.925) 11(2.875,-2.925) 12(2.875,-2.275) 13(2.875,-1.625) 14(2.875,-0.975) 15(2.875,-0.325) 16(2.875,0.325) 17(2.875,0.975) 18(2.875,1.625) 19(2.875,2.275) 20(2.875,2.925)
  silkscreen extent -3.05,-3.3 1.7,3.67, body extent -2.25,-3.3 2.25,3.3, height 1.21
"UltraVolt XS" [mm] "10.6mmX10.6mm_4pin_UltraVoltXS"
  round 1.5 hole 1.15: 1(-3.6,1.4) 2(-3.6,-1.1) 3(-3.6,-3.7) 4(3.6,-3.7)
  oval 2.5x1.5 hole 1 slot 2 at 1 deg: 5(0,5.3) 6(0,-5.3)
  silkscreen extent -7.02,-6 6,6, body extent -5.3,-5.55 5.3,5.55, height 11
USB_MINIB [mm] "USB Mini B"
  oval 1.65x1.1 hole 0.7 copper offset -0.275,0: 1(0,1.6) 3(0,0) 5(0,-1.6)
  oval 1.65x1.1 hole 0.7 copper offset 0.275,0: 2(1.2,0.8) 4(1.2,-0.8)
  oval 2.7x1.7 hole 0.75 slot 1.9 at 1 deg: 6(5.05,3.65) 7(5.05,-3.65)
  silkscreen extent -1.25,-5 6.75,5, body extent -0.2,-3.9 8.8,3.8, height 3.95

## Part data
1 2 3 DAC1 DAC2 GND1 HV1 ISEL1 RampMON1 VadjN1 VadjP1 Vdis1 VPED1 Vramp1: "Wire solder pin 1.5mm", Price=0, Sort=610, Tech=THDW
C1 C2 C3 C4 C5 C6 C7 C8 C9 C10 C11 C12 C13 C14 C58 C60 C63 C68 C69 C70 C71 C72 C76 C77 C78 C89 C112 C113 C116 C125 C141: library part CAPCC0402_100N_50VX7R, "0.10µF 50V Ceramic Capacitor X7R 0402", Manufacturer=TDK, Manufacturer No=C1005X7R1H104K050BB, Package="Cap Chip 0402", Supplier Part Number 1=445-5932-1-ND, Voltage rating=50V, Supplier 1=Digi-Key, Tech=SMDR
C15 C16 C61: library part CAPCC0805_22U_16VX7R, "22µF 16V Ceramic Capacitor X5R 0805", Manufacturer=Murata, Manufacturer No=GRM219R61C226ME15L, Package="Cap Chip 0805", Supplier Part Number 1=490-9952-1-ND, Voltage rating=16V, Supplier 1=Digi-Key, Tech=SMDR
C18 C20 C21: library part CAPCC0402_1.0U_50VX7R, "1µF 6.3V Ceramic Capacitor X7R 0402", Manufacturer=TDK, Manufacturer No=GRM155R70J105KA12D, Package="Cap Chip 0402", Supplier Part Number 1=490-10024-1-ND, Voltage rating=6.3V, Supplier 1=Digi-Key, Tech=SMDR
C19: library part CAPCC0402_200P_50VNP0, "Capacitor chip ceramic 0402 50V NPO", Manufacturer=Murata, Manufacturer No=GRM1555C1H201JA01D, Package="Cap Chip 0402", Supplier Part Number 1=490-3232-1-ND, Voltage rating=50V, Supplier 1=Digi-Key, Tech=SMDR
C22 C31 C32 C41 C42 C45: library part CAPT3528_150U6V3R0.5, "150µF Molded Tantalum Capacitors 6.3V 1411", Manufacturer=AVX, Manufacturer No=F930J157MBA, Package="Tant SMD B 3528-21", Supplier Part Number 1=493-5741-1-ND, Voltage=6.3V, Comment2="6.3V 0.5R  20%", Supplier 1=Digi-Key, Tech=SMDR
C25 C26 C27 C28 C29 C30 C33 C35 C36 C37 C38 C39 C40 C43 C44 C46 C47 C67 C142: library part CAPCC0402_4.7uF_6.3V, "4.7µF ±10% 6.3V X7R Ceramic Capacitor", Manufacturer="Samsung Electro-Mechanics America, Inc.", Manufacturer No=CL05A475KQ5NRNC, Package="Cap Chip 0402", Supplier Part Number 1=1276-1481-1-ND, Voltage rating=6.3V, Supplier 1=Digi-Key, Tech=SMDR
C51 C53 C55 C56 C57: library part CAPCC1206_10U_16VX7R, "10µF 16V Ceramic Capacitor X7R 1206", Manufacturer=TDK, Manufacturer No=C3216X7R1C106M160AC, Package="Cap Chip 1206", Supplier Part Number 1=445-1601-1-ND, Voltage rating=16V, Supplier 1=Digi-Key, Tech=SMDR
C52: library part CAPT7343_330U_16V, "330µF Molded Tantalum - Polymer Capacitors 16V", Manufacturer=Kemet, Manufacturer No=T521X337M016ATE050, Package="Tant SMD D 7343-43", Supplier Part Number 1=399-10365-6-ND, Voltage rating=16V, Supplier 1=Digi-Key, Tech=SMDR
C64 C65: library part CAPCC1206_1U_100VX7R, "Capacitor chip ceramic 1206 100V X7R", Manufacturer=TDK, Manufacturer No=C3216X7R2A105K160AA, Package="Cap Chip 1206", Supplier Part Number 1=445-4467-1-ND, Voltage rating=100V, Supplier 1=Digi-Key, Supplier 2=Mouser, Supplier Part Number 2=810-C3216X7R2A105K, Tech=SMDR
C66: library part CAPCC0402_.22uF_6.3V, ".22µF ±10% 6.3V X7R Ceramic Capacitor", Manufacturer="Samsung Electro-Mechanics America, Inc.", Manufacturer No=CL05A224KQ5NNNC, Package="Cap Chip 0402", Supplier Part Number 1=1276-1124-1-ND, Voltage rating=6.3V, Supplier 1=Digi-Key, Tech=SMDR
C73 C74 C75 C85 C92 C93 C94 C102 C108 C109 C110 C121 C128 C129 C130: library part CAPCC0603_1P_50VNPO, "100pF 50V Ceramic Capacitor C0G, NP0 0603", Manufacturer="AVX Corporation", Manufacturer No=ML03511R0BAT2A, Package="Cap Chip 0603", Supplier Part Number 1=478-6707-6-ND, Voltage rating=50V, Supplier 1=Digi-Key, Tech=SMDR
C79 C80 C81 C86 C87 C88 C90 C95 C96 C97 C98 C103 C104 C105 C106 C111 C114 C115 C117 C122 C123 C124 C126 C131 C132 C133 C134 C138 C139 C140: library part CAPCC0603_100N100VX7R, "0.10µF 100V Ceramic Capacitor X7R 0603", Manufacturer=Yageo, Manufacturer No=CC0603KRX7R0BB104, Supplier Part Number 1=311-1523-1-ND, Voltage rating=100V, Supplier 1=Digi-Key, Tech=SMDR
C82 C83 C84 C91 C99 C100 C101 C107 C118 C119 C120 C127 C135 C136 C137: library part CAPCC0603_500P_50VNPO, "100pF 50V Ceramic Capacitor C0G, NP0 0603", Manufacturer=KEMET, Manufacturer No=C0603C511J5GACTU, Package="Cap Chip 0603", Supplier Part Number 1=399-9102-6-ND, Voltage rating=50V, Supplier 1=Digi-Key, Tech=SMDR
D1: library part Schottky_Diodes_5A_30V, "DIODE SCHOTTKY 30V 5A SOD128  500ns 0.36Vf", Manufacturer=NXP, Package=SMB, Supplier Part Number 1=568-6753-6-ND, Manufacturer No=PMEG3050EP,115, Supplier 1=Digi-Key, Tech=SMDR
D2: library part Schottky_Diode_1A_100V, "Schottky diode 1A 100V", Manufacturer="Comchip Technology", Package=SMB, Supplier Part Number 1=641-1709-1-ND, Manufacturer No=CDBB1100-HF, Supplier 1=Digi-Key, Tech=SMDR
DONE1: library part LED-GREEN0603H, "Green 572nm LED Indication - Discrete 2.2V 0603", Manufacturer="Rohm Semiconductor", Manufacturer No=SML-D12M8WT86, Package="Led Chip 0603 Side", Supplier Part Number 1=511-1578-6-ND, Supplier 1=Digi-Key, Tech=SMDR
FB1: library part FB2220-74279224151, "Feritte filter smd 2220 5A 10mRdc 150Rac", Manufacturer=Wurth, Package="Filter Chip 2220", Supplier Part Number 1=732-3423-1-ND, Manufacturer No=74279224151, Supplier 1=Digi-Key, Supplier 2=Mouser, Supplier Part Number 2=710-74279224151, Tech=SMDR
FB2: library part FB0603-600R_0.2A, "Feritte filter smd 0603 0.2A 1Rdc", Manufacturer=Murata, Manufacturer No=BLM18HG601SN1, Package="Filter Chip 0603", Supplier Part Number 1=490-1033-6-ND, Supplier 1=Digi-Key, Supplier 2=Newark, Supplier 3=Mouser, Supplier Part Number 2=73M9104, Supplier Part Number 3=81-BLM11HA601SG, Tech=SMDR
FID1 FID2 FID3: "Fiducial top round open mask", Price=0, Sort=800, Tech=MECH
J1: library part "USB Mini B CONN", "CONN USB RECEPTACLE 5POS RT ANG", Manufacturer="Molex, LLC", Package="USB - mini B", Supplier Part Number 1=WM17115-ND, Manufacturer No=0548190519, Supplier 1=Digi-Key, Tech="Through Hole, Right Angle"
J2: "CONN MMCX JACK STR 50 OHM PCB", Manufacturer="Molex, LLC", Manufacturer part #=0734151471, Supplier Part Number 1=WM5557-ND, Cost=$3.10, Package size=MMCX, Supplier 1=Digi-Key
J3: library part "2x1 RJ45 CONN", "CONN MOD JACK 8P8C R/A SHIELDED", Manufacturer="Wurth Electronics Inc.", Package="RJ45, Ethernet", Supplier Part Number 1=732-2744-ND, Manufacturer No=615016137621, Supplier 1=Digi-Key, Tech="Through Hole, Right Angle"
JTAG1: library part "14PIN JTAG", "14 Positions Header, Shrouded Connector 0.079\" (2.00mm) Through Hole Gold", Manufacturer="Molex, LLC", Supplier Part Number 1=WM17469-ND, Manufacturer No=0878311420, Supplier 1=Digi-Key, Tech=SMDR
MPPC1 MPPC2 MPPC3 MPPC4 MPPC5 MPPC6 MPPC7 MPPC8 MPPC9 MPPC10 MPPC11 MPPC12 MPPC13 MPPC14 MPPC15: "3x3mm Multi-Pixel photon counter", Manufacturer=HAMAMATSU, Manufacturer No=S12572-050, Package=S12572-050P, Supplier 1=HAMAMATSU, Supplier Order Qty 1=1, Supplier Part Number 1=S12572-050, Supplier Unit Price 1=0, Tech=SMD_manual
POT1: "TRIMMER 10K OHM 0.125W SMD", Manufacturer="Bourns Inc.", Manufacturer part #=3313J-1-103E, Package size="Rectangular - 0.138\" x 0.126\" Face x 0.087\" H (3.50mm x 3.20mm x 2.20mm)", Supplier Part Number 1=3313J-103ECT-ND, Cost=$2.08, Supplier 1=Digi-Key
PWR1: library part "2V5 REG LDO", "IC REG LDO 2.5V 1.5A SOT223-3", Manufacturer="Analog Devices Inc.", Package="SOT-223-3/ ADP3339", Supplier Part Number 1=ADP3339AKCZ-2.5-R7CT-ND, Manufacturer No=ADP3339AKCZ-2.5-R7, Supplier 1=Digi-Key, Tech="Surface Mount"
PWR3: library part "1V2 REG LDO", "IC REG LDO 1.2V 1A SOT223-3", Manufacturer="Diodes Incorporated", Supplier Part Number 1=ZLDO1117G12DICT-ND, Manufacturer No=ZLDO1117G12TA, Supplier 1=Digi-Key, Tech="Surface Mount"
PWR5: library part UltraVolt_XS, "DC-DC high-voltage power supply 100V", Manufacturer="Adavance Energy", Manufacturer No="UltraVolt XS", Tech="Through hole"
Q1: library part MOSFET_N_Channel, "MOSFET N-CH 20V 2.3A SOT23", Manufacturer="Infineon Technologies", Package=SOT23, Supplier Part Number 1="BSS806N H6327CT-ND", Manufacturer No="BSS806N H6327", Supplier 1=Digi-Key, Tech=SMDR
R1 R2 R4 R122 R123 R124: library part RES0402-100R-1%100PPM, "RES SMD 100 OHM 1% 1/10W 0402", Manufacturer=Panasonic, Manufacturer No=ERJ-2RKF1000X, Package="Res Chip 0402", Supplier Part Number 1=P100LCT-ND, Supplier 1=Digi-Key, Tech=SMDR
R3 R6: library part RES0402-0R-1%100PPM, "Chip Resistor 0402 62.5mW 1% 100ppm", Manufacturer=Panasonic, Manufacturer No=ERJ-2GE0R00X, Package="Res Chip 0402", Supplier Part Number 1=P0.0JCT-ND, Supplier 1=Digi-Key, Tech=SMDR
R5 R7 R10 R11 R12 R18 R19 R20 R21 R22 R23 R24 R25 R105: library part RES0402-4.7K-1%100PPM, "RES SMD 4.7K OHM 1% 1/10W 0402", Manufacturer=Panasonic, Manufacturer No=ERJ-2RKF4701X, Package="Res Chip 0402", Supplier Part Number 1=P4.70KLCT-ND, Supplier 1=Digi-Key, Tech=SMDR
R8 R9: library part RES0402_330_1%, "RES SMD 330 OHM 0.1% 1/16W 0402", Manufacturer="Panasonic Electronic Components", Manufacturer No=ERA-2AEB331X, Supplier Part Number 1=P330DCDKR-ND, Supplier 1=Digi-Key, Tech=SMDR
R13 R28 R29: library part RES0603-0R0-1%100PPM, "RES SMD 0.0OHM JUMPER 1/10W 0603", Manufacturer=Panasonic, Manufacturer No=ERJ-3GEY0R00V, Package="Res Chip 0603", Supplier Part Number 1=P0.0GCT-ND, Supplier 1=Digi-Key, Tech=SMDR
R26 R27: library part PR_RES0603-1_100k-0.1%25PPM, "Chip Resistor 0603 100mW 0.1% 25ppm", Manufacturer=Panasonic, Manufacturer No=ERA-3AEB104V, Package="Res Chip 0603", Supplier Part Number 1=P100KDBCT-ND, Supplier 1=Digi-Key, Supplier 2=Newark, Supplier 3=Mouser, Supplier Part Number 2=08N2096, Supplier Part Number 3=667-ERA-3AEB104V, Tech=SMDR
R30 R31 R32 R42 R43 R44 R45 R49 R51 R53 R55 R62 R63 R64 R66 R69 R70 R71 R72 R82 R83 R84 R85 R89 R91 R93 R97 R102 R103 R104: library part RES0603-1K-1%100PPM, "RES SMD 1K OHM 1% 1/10W 0603", Manufacturer=Yageo, Manufacturer No=RC0603FR-071KL, Package="Res Chip 0603", Supplier Part Number 1=311-1.00KHRCT-ND, Supplier 1=Digi-Key, Tech=SMDR
R33 R34 R35 R46 R50 R52 R54 R65 R73 R74 R77 R86 R90 R92 R96: library part RES0603-100-1%100PPM, "RES SMD 1K OHM 1% 1/10W 0603", Manufacturer="Stackpole Electronics Inc.", Manufacturer No=RNCP0603FTD100R, Package="Res Chip 0603", Supplier Part Number 1=RNCP0603FTD100RDKR-ND, Supplier 1=Digi-Key, Tech=SMDR
R36 R37 R38 R47 R56 R57 R58 R67 R75 R76 R78 R87 R94 R95 R98: library part "RES0805-1K-1%100PPM Precision", "RES SMD 1K OHM 1% 1/4W 0805", Manufacturer="Bourns Inc.", Manufacturer No=CRS0805-FX-1001ELF, Package="Res Chip 0805", Supplier Part Number 1=CRS0805-FX-1001ELFCT-ND, Supplier 1=Digi-Key, Tech=SMDR
R39 R40 R41 R48 R59 R60 R61 R68 R79 R80 R81 R88 R99 R100 R101: library part RES0603-91-1%100PPM, "RES SMD 91 OHM 1% 1/10W 0603", Manufacturer=Yageo, Manufacturer No=RC0603FR-0791RL, Package="Res Chip 0603", Supplier Part Number 1=311-91.0HRDKR-ND, Supplier 1=Digi-Key, Tech=SMDR
R106: library part RES0402-50R-1%100PPM, "RES SMD 49.9 OHM 1% 1/16W 0402", Manufacturer="Samsung Inc.", Manufacturer No=RC1005F49R9CS, Package="Res Chip 0402", Supplier Part Number 1=1276-3469-1-ND, Supplier 1=Digi-Key, Tech=SMDR
R107 R108 R109 R110 R111 R112 R113 R114 R115 R116 R117 R118 R119 R120 R121: library part RES0603-0-49.9R-1%100PPM, "Chip Resistor 0603 100mW 1% 100ppm", Manufacturer=Panasonic, Manufacturer No=ERJ-3EKF49R9V, Package="Res Chip 0603", Supplier Part Number 1=P49.9HDKR-ND, Supplier 1=Digi-Key, Supplier 2=Mouser, Supplier 3=Newark, Supplier Part Number 2=667-ERJ-3EKF49R9V, Supplier Part Number 3=65T8468, Tech=SMDR
U1: library part DIGITZ_TargetX, "16-channel, 1GSPS Transient Waveform Recorder", Manufacturer=UHM_IDL, Package=TQFP128, Manufacturer No=TargetX, Supplier 1=UHM_IDL, Supplier Order Qty 1=1, Supplier Part Number 1=TargetX, Supplier Unit Price 1=0, Tech=SMDR
U2: library part SPARTAN_6, "Spartan-6 LX 1.2V FPGA, 102 User I/Os, 144-Pin TQFP (0.5mm Pitch), Speed Grade 2, Commercial Grade, Pb-Free", Manufacturer="Xillinx Inc", Supplier Part Number 1=122-1734-ND, Code_JEDEC=MS-026-BFB, ComponentLink1Description="Manufacturer Link", ComponentLink1URL=http://www.xilinx.com, ComponentLink2Description="Spartan-6 Datasheet", ComponentLink2URL=http://www.xilinx.com/support/documentation/data_sheets/ds160.pdf, ComponentLink3Description="Spartan-6 Documents", ComponentLink3URL=http://www.xilinx.com/support/documentation/spartan-6.htm, ComponentLink4Description="Xilinx.com Home", ComponentLink4URL=http://www.xilinx.com, DatasheetVersion="ver1.6, Nov-2010", Manufacturer No=XC6SLX4-2TQG144C, PackageDescription="144-Pin Thin Quad Flat Pack (TQG144) - Pb-Free", PackageReference=TQG144, PackageVersion="ver1.2, Jun-2004", Published=1-Jul-2010, Publisher="Altium Limited", Supplier 1=Digi-Key
U4: library part "Flash memory 4Mbit", "IC FLASH 4MBIT 50MHZ 8SOIC", Manufacturer="Winbond Electronics", Supplier Part Number 1=W25Q40CLSNIG-ND, Manufacturer No=W25Q40CLSNIG, Supplier 1=Digi-Key, Tech="Surface Mount"
U5 U7: library part DAC_12bit_8ch, "IC DAC 12BIT 16CHAN 3V 52LQFP", Manufacturer="Analog Devices Inc.", Manufacturer No=AD5672RBRUZ-ND, Supplier 1=Digi-Key, Supplier Part Number 1=AD5672RBRUZ-ND, Tech="Surface Mount"
U6: library part OPAMP_LTC2050CS5, "Zero-Drift Operational Amplifier", Manufacturer="Linear Technology", Manufacturer No=LTC2050CS5#TRMPBF, Package=SOT23-5, Supplier Part Number 1=LTC2050CS5#TRMPBFCT-ND, Supplier 1=Digi-Key, Tech=SMDR
U8 U9 U10 U11 U12 U13 U14 U15: library part OPAMP_LT6253CMS8, "Single-Supply, Rail-to-Rail, 720MHZ", Manufacturer="Linear Technology/Analog Devices", Manufacturer No=LTC6253CMS8#PBF, Package=MSOP8, Supplier Part Number 1=LTC6253CMS8#PBF-ND, Supplier 1=Digi-Key, Tech=SMDR

## Free pads (board coordinates)
  round 125 hole 100: 1(1102.38,2066.93) 2(2283.46,2066.93) 3(3464.57,2066.93) 4(4645.68,2066.93)
  round 150 hole 100: 5(120,1450) 6(5623,1450) 9(2869.09,72.83)
  round 100 hole 70: 10(4055.13,63.5)

## Via types
v1: diameter 25, hole 12, L1-Top to L6-Bottom, tented both sides, 390 vias

## Nets (pads, with @x,y where several pads share a name; then routed paths per layer and width w, separated by ;. In a path a pad name is that pad's centre, name@x,y a point inside that pad or via, vN(x,y) a via of type N, cw(c..) or ccw(c..) an arc to the next point about the centre after c; other vN are vias at no path point)
+1V2: 3.1 C36.2 C37.2 C38.2 C39.2 C40.2 C41.1 C57.2 PWR3.2 PWR3.4 U2.19 U2.28 U2.52 U2.89 U2.128 | length 2123.2
  L6-Bottom w8: C40.2@2380.67,770 v1(2405,770) 2406.47,768.53 U2.128@2453.66,768.53 ; U2.19@2878.86,1154.35 2878.86,1201.14 2885,1207.28 2885,1227.52 C36.2@2886.81,1229.33 2915,1255 2915,1300 v1(2925,1300) ; U2.89@2898.54,323.65 2898.54,284.46 C39.2@2942.33,240.67 2948,235 v1(2975,235) ; v1(3015,1285) 3015,1280 3035,1260 3035,1235 3055.51,1214.49 3056.02,1214.49 ; U2.28@3056.02,1154.35 3056.02,1214.49 ; C37.2@3073.82,1232.28 3056.02,1214.49 ; v1(3080,760) 3110.04,790.04 3284.37,790.04 U2.52@3284.37,788.21 3356.12,788.21 C38.2@3359.33,785
  L6-Bottom w20: C57.2@5416.02,580 v1(5470,580) ; 3.1@5456.69,1392.72 v1@5502.28,1392.72 ; PWR3.2@5505,180.08 v1(5505,250) ; PWR3.4@5505,439.92 v1(5505,505) 5545,545 C41.1@5545,577.99 5472.01,577.99 v1(5470,580) ; v1(5505,1390) v1@5502.28,1392.72 ; v1(5470,580) 5470,775 5539,844 5539,1379.5 5525.78,1392.72 v1@5502.28,1392.72
+1V8: C66.1 C67.1 U4.8 | length 113.5
  L1-Top w8: C67.1@3557.09,264.76 C66.1@3599.41,264.76 3599.41,240.59 v1(3600,240)
  L6-Bottom w8: U4.8@3598.23,285.43 3598.23,241.77 v1(3600,240)